# Altium PCB SPG_300.PcbDoc (part 2 of 7)
Units mil, origin at the board's own origin, x right, y up, seen from the top; angles counter-clockwise.
Board outline 7834.65 x 4330.71 mil, 4 copper layers (Top, Route2-SIG, Route3-GND, Bottom), stack 67.156 mil thick; 659 components, 376 nets, 2304 pads, 665 vias.
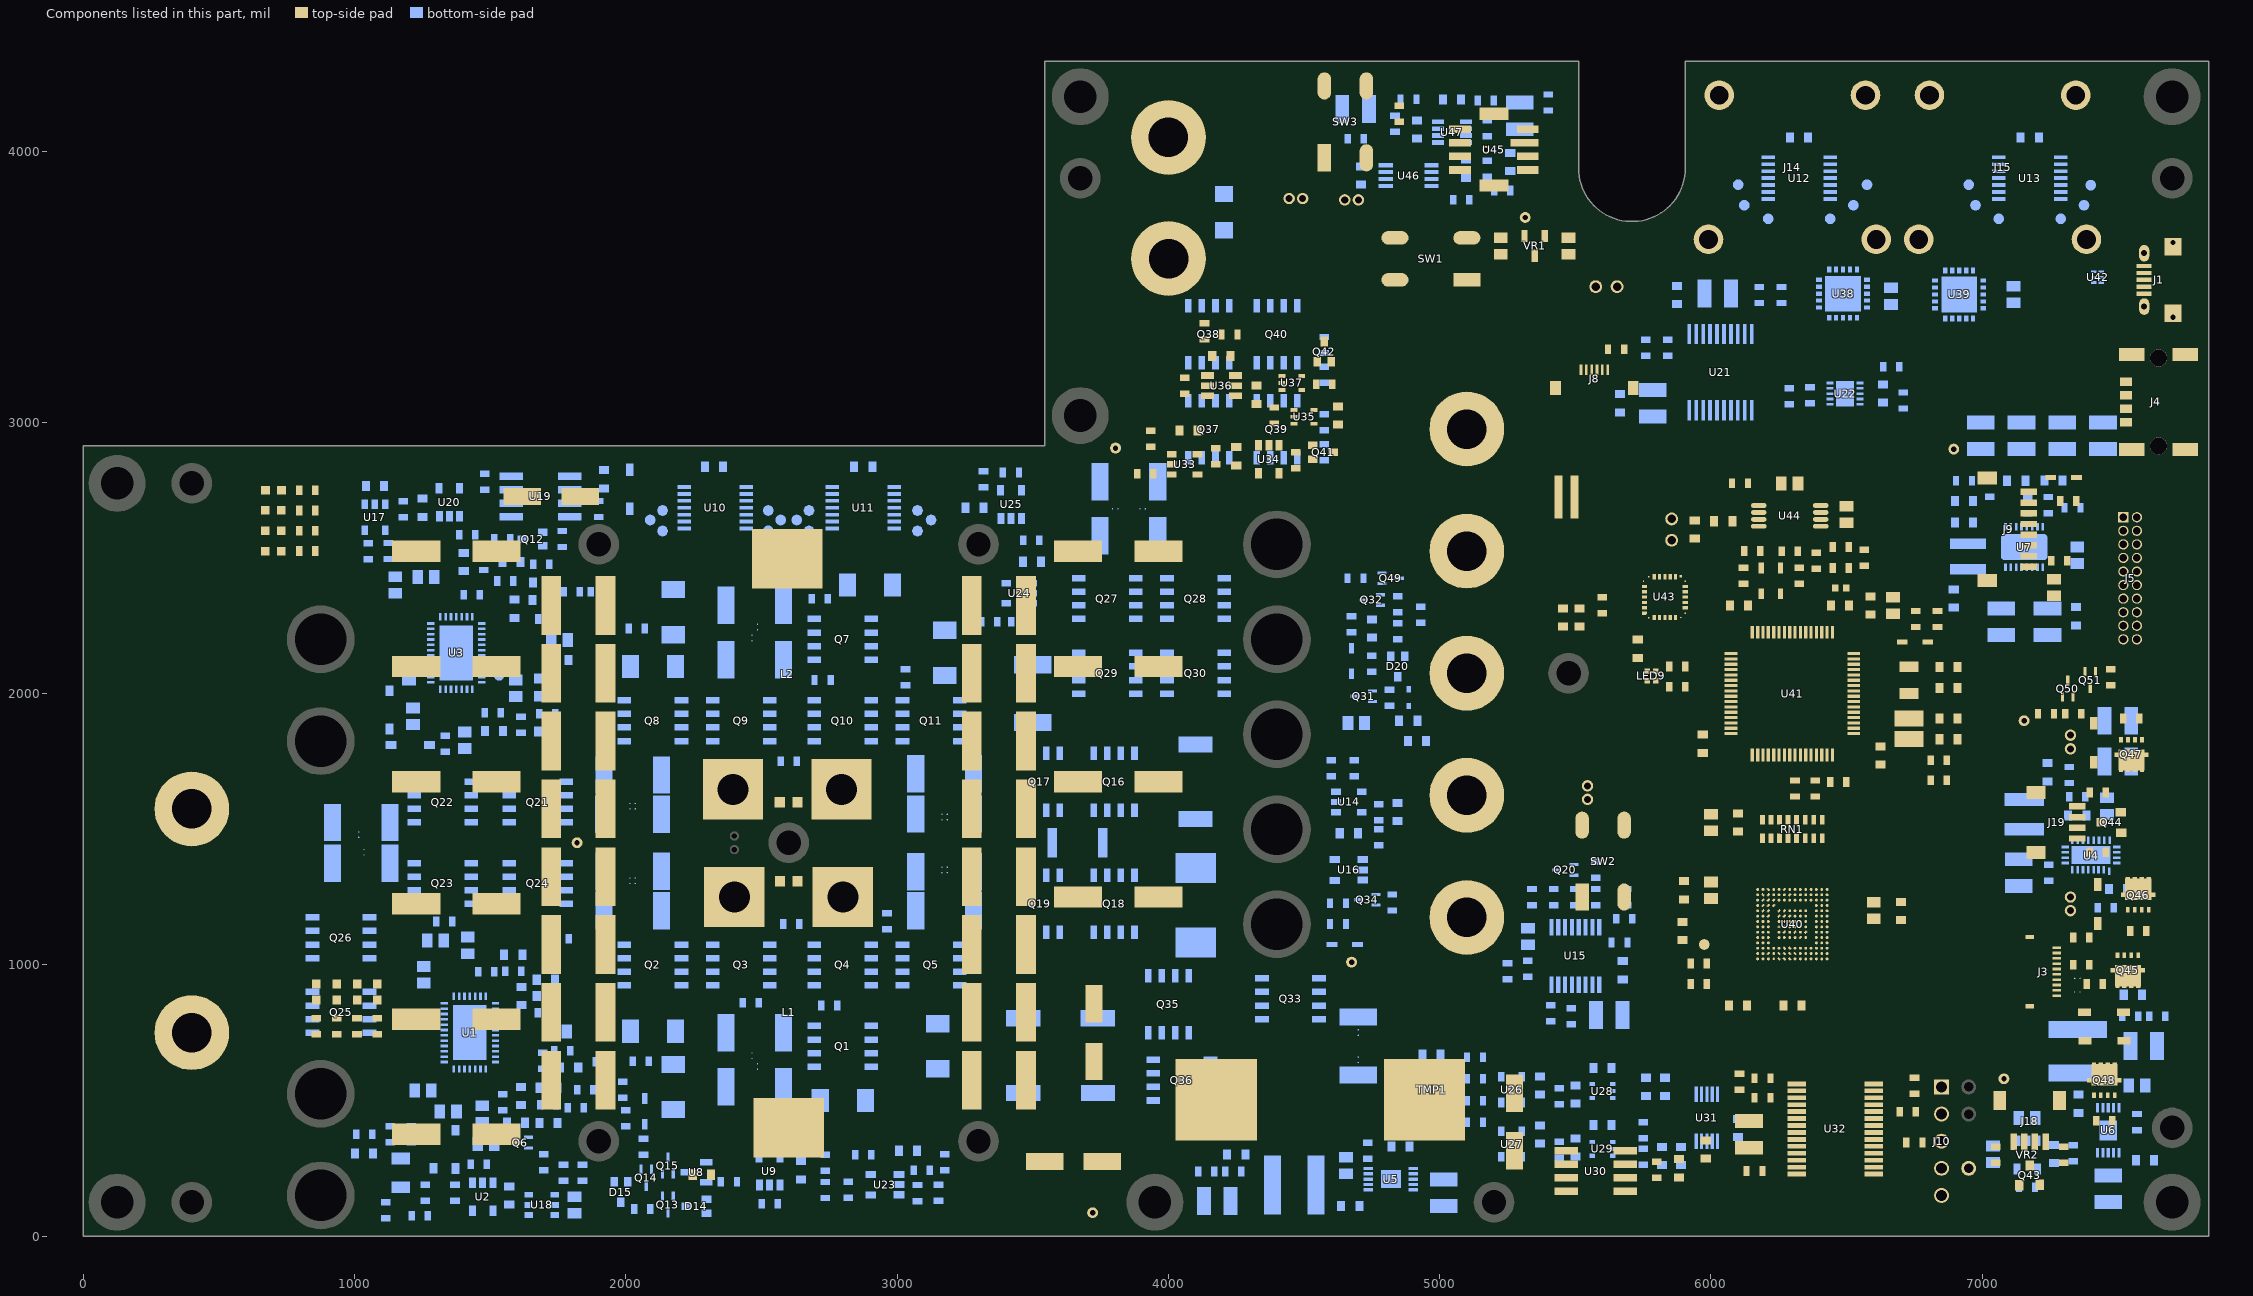
[diagram p4: the components of this part, seen from the top]

## Components (designator, comment, footprint, x,y, rotation, side; value= is the part's Value field where it differs from the comment) (continued)
R123 "RES SMD 0603" "SMD 0603 (1608 Metric)" 4689.53,2425 r180 bottom value=10K*
R124 "RES SMD 0603" "SMD 0603 (1608 Metric)" 4930,2290 r270 bottom value=499K
R125 "RES SMD 0603" "SMD 0603 (1608 Metric)" 4815,1985 r90 bottom value=100K
R126 "RES SMD 0603" "SMD 0603 (1608 Metric)" 4845,2330 r90 bottom value=100K
R127 "RES SMD 0603" "SMD 0603 (1608 Metric)" 5650,3270 r0 top value=470
R128 "RES SMD 0603" "SMD 0603 (1608 Metric)" 4625,1150.77 r0 bottom value=1K
R129 "RES SMD 0603" "SMD 0603 (1608 Metric)" 4625,1226.66 r180 bottom value=10K
R130 "RES SMD 0603" "SMD 0603 (1608 Metric)" 7283.46,2490.16 r180 top value=332K
R131 "RES SMD 0603" "SMD 0603 (1608 Metric)" 7317.6,2710 r0 top value=10K
R132 "RES SMD 0603" "SMD 0603 (1608 Metric)" 4825,1230 r90 bottom value=100K
R133 "RES SMD 0603" "SMD 0603 (1608 Metric)" 6178.46,3469.32 r90 bottom value=2.2K
R134 "RES SMD 0603" "SMD 0603 (1608 Metric)" 6260,3469.32 r90 bottom value=2.2K
R135 "RES SMD 0603" "SMD 0603 (1608 Metric)" 5840,3275 r90 bottom value=16.9K
R136 "RES SMD 0603" "SMD 0603 (1608 Metric)" 6365,3099.47 r270 bottom value=2.2K
R137 "RES SMD 0603" "SMD 0603 (1608 Metric)" 6288.96,3095.47 r270 bottom value=2.2K
R138 "RES SMD 0603" "SMD 0603 (1608 Metric)" 5760,3275 r270 bottom value=10K
R139 "RES SMD 0603" "SMD 0603 (1608 Metric)" 6709.17,3080.47 r90 bottom value=976K
R140 "RES SMD 0603" "SMD 0603 (1608 Metric)" 6664.17,3205.47 r0 bottom value=102K
R141 "RES SMD 0603" "SMD 0603 (1608 Metric)" 2820,170.47 r90 bottom value="1K, 0.1%"
R142 "RES SMD 0603" "SMD 0603 (1608 Metric)" 3152.46,160 r270 bottom value="10K, 0.1%"
R143 "RES SMD 0603" "SMD 0603 (1608 Metric)" 3090,243.46 r180 bottom value="324, 0.1%"
R144 "RES SMD 0603" "SMD 0603 (1608 Metric)" 2735,170 r90 bottom value="10K, 0.1%"
R145 "RES SMD 0603" "SMD 0603 (1608 Metric)" 3075,158.86 r90 bottom value="1K, 0.1%"
R146 "RES SMD 0603" "SMD 0603 (1608 Metric)" 3175,272.99 r270 bottom value="976K, 0.1%"
R147 "RES SMD 0603" "SMD 0603 (1608 Metric)" 2735,270 r270 bottom value="10K, 0.1%"
R148 "RES SMD 0603" "SMD 0603 (1608 Metric)" 2875,300.47 r180 bottom value="806, 0.1%"
R149 "RES SMD 2512" "SMD 2512 (6332 Metric)" 3499.96,2000 r90 bottom value=0.005
R150 "RES SMD 0603" "SMD 0603 (1608 Metric)" 3450,2265 r180 bottom value="5K, 0.1%"
R151 "RES SMD 0603" "SMD 0603 (1608 Metric)" 3318.46,2790 r270 bottom value="30K, 0.1%"
R152 "RES SMD 0603" "SMD 0603 (1608 Metric)" 3340,2265 r0 bottom value="5K, 0.1%"
R153 "RES SMD 0603" "SMD 0603 (1608 Metric)" 3495,2565 r180 bottom value="250K, 0.1%"
R154 "RES SMD 0603" "SMD 0603 (1608 Metric)" 3419.55,2815 r180 bottom value="28K, 0.1%"
R155 "RES SMD 0603" "SMD 0603 (1608 Metric)" 5440,319.09 r270 bottom value="453K, 0.1%"
R156 "RES SMD 0603" "SMD 0603 (1608 Metric)" 5440,515 r270 bottom value="453K, 0.1%"
R157 "RES SMD 0603" "SMD 0603 (1608 Metric)" 5130,419.49 r0 bottom value="5K, 0.1%"
R158 "RES SMD 0603" "SMD 0603 (1608 Metric)" 5130,499.21 r0 bottom value="5K, 0.1%"
R159 "RES SMD 0603" "SMD 0603 (1608 Metric)" 5130,580 r0 bottom value="5K, 0.1%"
R160 "RES SMD 0603" "SMD 0603 (1608 Metric)" 5130,660 r0 bottom value="5K, 0.1%"
R161 "RES SMD 0603" "SMD 0603 (1608 Metric)" 5800,245 r90 top value=2M
R162 "RES SMD 2512" "SMD 2512 (6332 Metric)" 4700,700.79 r90 bottom value=0.005
R163 "RES SMD 0603" "SMD 0603 (1608 Metric)" 6105,568.63 r90 top value=4.99K
R164 "RES SMD 0603" "SMD 0603 (1608 Metric)" 5750,390 r90 bottom value="5K, 0.1%"
R165 "RES SMD 0603" "SMD 0603 (1608 Metric)" 5750,292.76 r90 bottom value="1K, 0.1%"
R166 "RES SMD 0603" "SMD 0603 (1608 Metric)" 6190,510.16 r180 top value=4.99K
R167 "RES SMD 0603" "SMD 0603 (1608 Metric)" 6190,582.06 r180 top value=4.99K
R168 "RES SMD 0603" "SMD 0603 (1608 Metric)" 6160.47,240 r180 top value=4.99K
R169 "RES SMD 0603" "SMD 0603 (1608 Metric)" 6750,554.06 r90 top value=1K
R170 "RES SMD 0603" "SMD 0603 (1608 Metric)" 6750,345 r180 top value=10K
R171 "RES SMD 0603" "SMD 0603 (1608 Metric)" 6725,458.98 r180 top value=10K
R172 "RES SMD 2512" "SMD 2512 (6332 Metric)" 3854.48,2581.15 r0 bottom value=.010
R173 "RES SMD 2512" "SMD 2512 (6332 Metric)" 3854.48,2781.1 r0 bottom value=.010
R174 "RES SMD 0603" "SMD 0603 (1608 Metric)" 3934.96,2940 r90 top value="5K, 0.1%"
R175 "RES SMD 0603" "SMD 0603 (1608 Metric)" 3914.96,2811.02 r180 top value="5K, 0.1%"
R176 "RES SMD 0603" "SMD 0603 (1608 Metric)" 4575,3000 r90 bottom value=1K
R177 "RES SMD 0603" "SMD 0603 (1608 Metric)" 4575,3175 r270 bottom value=1K
R178 "RES SMD 0603" "SMD 0603 (1608 Metric)" 4575,2888.96 r90 bottom value=1.5K
R179 "RES SMD 0603" "SMD 0603 (1608 Metric)" 4575,3285 r270 bottom value=1.5K
R180 "RES SMD 0603" "SMD 0603 (1608 Metric)" 4175,2875 r90 top value=250K
R181 "RES SMD 0603" "SMD 0603 (1608 Metric)" 4851.02,4136.81 r270 top value=332K
R182 "RES SMD 0603" "SMD 0603 (1608 Metric)" 4470,2860 r90 top value=10K
R183 "RES SMD 0603" "SMD 0603 (1608 Metric)" 4390,3025 r90 top value=10K
R184 "RES SMD 0603" "SMD 0603 (1608 Metric)" 4059.53,3135.16 r270 top value=499K
R185 "RES SMD 0603" "SMD 0603 (1608 Metric)" 4225,3323.62 r180 top value=1M
R186 "RES SMD 0603" "SMD 0603 (1608 Metric)" 7473.31,2060 r270 top value=10K
R187 "RES SMD 0603" "SMD 0603 (1608 Metric)" 4132.83,3335 r90 top value=523K
R188 "RES SMD 0603" "SMD 0603 (1608 Metric)" 4575,3140 r180 top value=10K
R189 "RES SMD 0603" "SMD 0603 (1608 Metric)" 5875,2100 r0 top value=249
R190 "RES SMD 0603" "SMD 0603 (1608 Metric)" 5875,2025 r0 top value=249
R191 "RES SMD 0603" "SMD 0603 (1608 Metric)" 6106.93,2775 r0 top value=1K
R192 "RES SMD 0603" "SMD 0603 (1608 Metric)" 6468.5,1673.9 r180 top value=10K
R193 "RES SMD 0603" "SMD 0603 (1608 Metric)" 6755,2275 r90 top value=20K*
R194 "RES SMD 0603" "SMD 0603 (1608 Metric)" 5599.53,2325 r270 top value=10K
R195 "RES SMD 0603" "SMD 0603 (1608 Metric)" 6835,2275 r270 top value=100
R196 "RES SMD 0603" "SMD 0603 (1608 Metric)" 6152.36,2525.79 r180 top value=2.2K
R197 "RES SMD 0603" "SMD 0603 (1608 Metric)" 6290.16,2525 r0 top value=2.2K
R198 "RES SMD 0603" "SMD 0603 (1608 Metric)" 6309.84,1650 r270 top value=100
R199 "RES SMD 0603" "SMD 0603 (1608 Metric)" 6325,2435 r270 top value=100
R200 "RES SMD 0603" "SMD 0603 (1608 Metric)" 6385,1650 r270 top value=100
R201 "RES SMD 0603" "SMD 0603 (1608 Metric)" 6120,2435 r270 top value=100
R202 "RES SMD 0603" "SMD 0603 (1608 Metric)" 6478.34,2462.83 r0 top value=1K
R203 "RES SMD 0603" "SMD 0603 (1608 Metric)" 6388.58,2490 r90 top value=10K
R204 "RES SMD 0603" "SMD 0603 (1608 Metric)" 6565,2500 r270 top value=10K
R205 "RES SMD 0603" "SMD 0603 (1608 Metric)" 6478.34,2540.51 r180 top value=15K
R206 "RES SMD 0603" "SMD 0603 (1608 Metric)" 5955,929.53 r0 top value=49.9K
R207 "RES SMD 0603" "SMD 0603 (1608 Metric)" 5955,1005 r0 top value=49.9K
R208 "RES SMD 0603" "SMD 0603 (1608 Metric)" 7300,299.53 r90 top value=4.99K
R209 "RES SMD 0603" "SMD 0603 (1608 Metric)" 7425,1635.24 r180 top value=4.99K
R210 "RES SMD 0603" "SMD 0603 (1608 Metric)" 5230,3854.53 r0 bottom value="121K, 0.1%"
R211 "RES SMD 0603" "SMD 0603 (1608 Metric)" 7050,299.53 r270 top value=10K
R212 "RES SMD 0603" "SMD 0603 (1608 Metric)" 5400,4178.74 r90 bottom value=499
R213 "RES SMD 0603" "SMD 0603 (1608 Metric)" 7425,1414.76 r0 top value=10K
R214 "RES SMD 0603" "SMD 0603 (1608 Metric)" 5175,3934.53 r270 bottom value="7.5K, 0.1%"
R215 "RES SMD 0603" "SMD 0603 (1608 Metric)" 5170.08,4186.31 r0 bottom value=4.99K
R216 "RES SMD 0603" "SMD 0603 (1608 Metric)" 4885,4190.51 r180 bottom value=499
R217 "RES SMD 0603" "SMD 0603 (1608 Metric)" 5079.98,3820 r180 bottom value=40.2K
R218 "RES SMD 0603" "SMD 0603 (1608 Metric)" 4690,4045 r0 bottom value=4.99K
R219 "RES SMD 0603" "SMD 0603 (1608 Metric)" 5175,4084.53 r90 bottom value="383, 0.1%"
R220 "RES SMD 0603" "SMD 0603 (1608 Metric)" 4835,4100 r90 bottom value=1M
R221 "RES SMD 0603" "SMD 0603 (1608 Metric)" 7415,929.53 r0 top value=10K
R222 "RES SMD 0603" "SMD 0603 (1608 Metric)" 7575,1125 r0 top value=10K
R225 "RES SMD 0603" "SMD 0603 (1608 Metric)" 7549.41,1908.15 r180 top value=10K
R226 "RES SMD 0603" "SMD 0603 (1608 Metric)" 7450.35,425 r0 top value=10K
R227 "RES SMD 0603" "SMD 0603 (1608 Metric)" 7235,1925.54 r180 top value=499K
R228 "RES SMD 0603" "SMD 0603 (1608 Metric)" 7334.69,1925.54 r180 top value=100K
RN1 "Resistor Network" "RESN 742 h=.35" 6300,1500.79 r90 top value=33K
SW1 "SW-PB6MM-SMD" SW-PB-SMD 5100,3525 r180 top
SW2 "SW-PB6MM-SMD" SW-PB-SMD 5525,1250 r90 top
SW3 "SW-PB6MM-SMD" SW-PB-SMD 4575,3975 r90 top
TH1 "THERM" "RESC 0603 (1608 Metric)_N" 2600,1308.15 r180 top value=10K
TH2 "THERM" "RESC 0603 (1608 Metric)_N" 2599.96,1600 r0 top value=10K
TMP1 "TMP100" SOT23-6N 4970,540 r0 bottom
TP_1 "Test Point" "Test Point 1mm"#1 5315,3755 r90 top
TP_2 "Test Point" "Test Point 1mm"#1 7154.11,1900 r90 bottom
TP_3 "Test Point" "Test Point 1mm"#1 3720.49,86.48 r90 top
TP_4 "Test Point" "Test Point 1mm"#1 7080,580 r90 top
TP_5 "Test Point" "Test Point 1mm"#2 6950,250.12 r90 top
TP_6 "Test Point" "Test Point 1mm"#1 6895.04,2901.23 r90 bottom
TP_BBIN1 "Test Point" "Test Point 1mm"#1 1820,1450.1 r90 top
TP_VBAT1 "Test Point" "Test Point 1mm"#1 3805,2905.09 r90 top (schematic designator TP_VBAT2)
TP_VBAT2 "Test Point" "Test Point 1mm"#1 4675,1010 r90 top (schematic designator TP_VBAT1)
TZ1 "Transient voltage suppressor- prevents ESD on inputs." SMC 4099.96,1220 r270 bottom value=SMLJ33ABCT
U1 "LT8705" QFN38 1424.96,750 r90 bottom
U2 "LMC7101" SOT23-5 1472.22,145.24 r270 bottom
U3 "LT8705" QFN38 1374.96,2150 r90 bottom
U4 "LT8620" "QFN24-EP-LTC UDD" 7401,1405 r90 bottom
U5 "LT8607" MSOP10-EP 4820,210 r0 bottom
U6 "LT8607" MSOP10-EP 7464.37,390 r270 bottom
U7 "LTC3115-1" DFN16-EP 7154.6,2540 r270 bottom
U8 "TC1047A" SOT23-3L 2260,235.59 r180 bottom
U9 "LMC7101" SOT23-5 2530,240 r90 bottom
U10 "MCP4651-104" TSSOP-14 2330,2685 r180 bottom
U11 "MCP4651-104" TSSOP-14 2875,2685 r180 bottom
U12 "MCP4651-104" TSSOP-14 6325,3900 r180 bottom
U13 "MCP4651-104" TSSOP-14 7175,3900 r180 bottom
U14 "ZXCT1082" "SOT23-5L 3.0x1.5x145" 4665,1600.51 r0 bottom value=ZXCT1802
U15 "ADM1270 Input Protection Device" QSOP16 5500,1032.76 r270 bottom value=AMD1270
U16 "LMC7101" SOT23-5 4665,1350.47 r180 bottom
U17 "ZXCT1082" "SOT23-5L 3.0x1.5x145" 1075,2650 r270 bottom value=ZXCT1802
U18 "ZXGD3006E6" SOT26 1690,115 r180 bottom
U19 "MIC5021" SOIC-8 1685.21,2726.92 r180 bottom
U20 "LMC7101" SOT23-5 1350,2705 r90 bottom
U21 "ADM3260" SSOP-20 6035,3185 r90 bottom
U22 "LTC4316" "DFN10-EP - LTC" 6494.02,3105.47 r180 bottom
U23 "LMC7101" SOT23-5 2955,190 r180 bottom
U24 "ZXCT1082" "SOT23-5L 3.0x1.5x145" 3449.96,2370 r180 bottom value=ZXCT1802
U25 "LMC7101" SOT23-5 3420.47,2697.24 r90 bottom
U26 "ZXCT1082" "SOT23-5L 3.0x1.5x145" 5265,540 r90 bottom value=ZXCT1802
U27 "ZXCT1082" "SOT23-5L 3.0x1.5x145" 5265,339.53 r90 bottom value=ZXCT1802
U28 "AD8500" SC70-5 5600,535 r180 bottom value=LMC7101
U29 "AD8500" SC70-5 5600,321.54 r180 bottom value=LMC7101
U30 "MIC5021" SOIC-8 5575,240 r0 top
U31 "ADS1115" TFSSOP-10 5985,437.13 r90 bottom
U32 "PIC24FJ64" SSOIC28 6457.7,395 r180 top
U33 "ZXCT1082" "SOT23-5L 3.0x1.5x145" 4060,2845 r0 top
U34 "LMC7101" SOT23-5 4370,2863.94 r270 top
U35 "74AUP1G08" SOT353-1-5L 4500,3020 r0 top
U36 "LTC6993-2" TSOT6-H1.0 4195,3135 r0 top value=LTC6993HS6-2
U37 "74AUP1G08" SOT353-1-5L 4455,3145 r0 top
U38 "MCP9600/L00" MQFN20-EP 6486.77,3474.21 r270 bottom
U39 "MCP9600/L00" MQFN20-EP 6915,3471.18 r270 bottom
U40 "MTFC8GAKAJNC-4M IT TR" BGA-153-SPECIAL 6300,1150 r0 top
U41 "STM32L476RG" LQFP64P 6300,2000 r180 top
U42 "TPD4S012" DFN1410-6 7425,3535 r180 bottom
U43 "STM8L151G3U6" "UFQFPN28 - ST Micro" 5830,2355.51 r0 top value=STM8L151G
U44 "AT24HC020" TSSOP-8 6290.16,2655 r180 top value=AT24HC020D-MAHM-T
U45 "ICSP 1451-P" "ICSP1451 Top Barb" 5200,4005 r180 top value="ICSP 1471-15G-T"
U46 "MAX11613" "uMAX 8" 4885,3909.53 r180 bottom value=MAX11613EUA+T
U47 "OPA2379" SOT23-8-H1.45 5045,4069.53 r180 bottom
VB1+ "CONN 1x1Pos" Amphenol-10-737584-153-A 5100,2075 r0 top value=10-737584-153
VB2+ "CONN 1x1Pos" Amphenol-10-737584-153-A 5100,2525 r0 top value=10-737584-153
VB- "CONN 1x1Pos" Amphenol-10-737584-153-A 5100,2975 r0 top value=10-737584-153
VOUT+ "CONN 1x1Pos" Amphenol-10-737584-153-A 5100,1625 r0 top value=10-737584-153
VOUT- "CONN 1x1Pos" Amphenol-10-737584-153-A 5100,1175 r0 top value=10-737584-153
VR1 "Series Voltage Ref" SOT23-3L 5350,3650 r270 top value=REF3033
VR2 "MIC5025" SOT23-5 7165,299.53 r270 bottom value=MIC5205
XTAL1 "XTAL1" NX3225 6729.53,1870.75 r270 top value=NX3225GD-8MHZ-STD-CR
XTAL2 "XTAL1" CTS-TF32L 6729.53,2049.21 r270 top value=ABS07-32.768KHZ-T

## Footprints (in the part's own frame and the unit in brackets; to place one, negate y for a bottom-side part, rotate by r counter-clockwise, add the part's x,y. Pads: shape width x height; smd on the part's side, far side on the other; paste and mask are expansions set on the pad)
Amphenol-10-737584-153-A [mm] "High-current, male stud pin, 10mm clearance"
  round 7 hole 3.7 mask+0.05: 1(0,0)
  silkscreen extent -5.08,-5.08 5.08,5.08, body extent -5,-5 5,5, height 17
BGA-153-SPECIAL [mil]
  rrect50% 12x8 smd rot 135 mask+1.97: *CLK(-29.53,-88.58) *CLK(-9.84,-108.27) *CMD(-29.53,-108.27) *CMD(-9.84,-127.95) *D3(-108.27,108.27) A3(-88.58,127.95) M7(-9.84,-88.58) N5(-49.21,-108.27) N8(9.84,-108.27) P5(-49.21,-127.95) P6(-29.53,-127.95)
  round 10.5 smd mask+1.97: *CLK(9.84,-127.95) *CMD(-49.21,-88.58) *D3(-127.95,108.27) *D4(-108.27,127.95) *D5(-127.95,68.9) *D5(-68.9,108.27) *D6(-127.95,29.53) *D6(-108.27,29.53) *D6(-49.21,88.58) *D6(-49.21,108.27) *D7(-29.53,108.27) *D7(-9.84,127.95) *DS(-127.95,-9.84) *DS(-108.27,-9.84) *DS(-88.58,-9.84) *RST(-127.95,-49.21) *RST(-108.27,-49.21) *RST(-88.58,-49.21) *RST(-49.21,-49.21) *VCC(-127.95,9.84) *VCC(-108.27,9.84) *VCC(-88.58,9.84) *VDDM(-127.95,88.58) *VSS(-49.21,-29.53) *VSS(-49.21,9.84) *VSS(-29.53,-9.84) *VSS(88.58,68.9) *VSS(108.27,68.9) *VSS(127.95,68.9) *VSS2(9.84,-49.21) *VSS2(29.53,-29.53) *VSSQ(-127.95,49.21) *VSSQ2(-108.27,-127.95) *VSSQ2(-108.27,-108.27) A1(-127.95,127.95) A4(-68.9,127.95) A5(-49.21,127.95) A8(9.84,127.95) A9(29.53,127.95) A10(49.21,127.95) A11(68.9,127.95) A12(88.58,127.95) A13(108.27,127.95) A14(127.95,127.95) B8(9.84,108.27) B9(29.53,108.27) B10(49.21,108.27) B11(68.9,108.27) B12(88.58,108.27) B13(108.27,108.27) B14(127.95,108.27) C6(-29.53,88.58) C7(-9.84,88.58) C8(9.84,88.58) C9(29.53,88.58) C10(49.21,88.58) C11(68.9,88.58) C12(88.58,88.58) C13(108.27,88.58) C14(127.95,88.58) E7(-9.84,49.21) E8(9.84,49.21) E9(29.53,49.21) E10(49.21,49.21) E12(88.58,49.21) E13(108.27,49.21) E14(127.95,49.21) F8(9.84,29.53) F9(29.53,29.53) F10(49.21,29.53) F12(88.58,29.53) F13(108.27,29.53) F14(127.95,29.53) G7(-9.84,9.84) G8(9.84,9.84) G9(29.53,9.84) G10(49.21,9.84) G12(88.58,9.84) G13(108.27,9.84) G14(127.95,9.84) H7(-9.84,-9.84) H8(9.84,-9.84) H10(49.21,-9.84) H12(88.58,-9.84) H13(108.27,-9.84) H14(127.95,-9.84) J1(-127.95,-29.53) J2(-108.27,-29.53) J3(-88.58,-29.53) J7(-9.84,-29.53) J12(88.58,-29.53) J13(108.27,-29.53) J14(127.95,-29.53) K6(-29.53,-49.21) K7(-9.84,-49.21) K10(49.21,-49.21) K12(88.58,-49.21) K13(108.27,-49.21) K14(127.95,-49.21) L1(-127.95,-68.9) L2(-108.27,-68.9) L3(-88.58,-68.9) L12(88.58,-68.9) L13(108.27,-68.9) L14(127.95,-68.9) M1(-127.95,-88.58) M2(-108.27,-88.58) M3(-88.58,-88.58) M4(-68.9,-88.58) M8(9.84,-88.58) M9(29.53,-88.58) M10(49.21,-88.58) M11(68.9,-88.58) M12(88.58,-88.58) M13(108.27,-88.58) M14(127.95,-88.58) N1(-127.95,-108.27) N4(-68.9,-108.27) N9(29.53,-108.27) N10(49.21,-108.27) N11(68.9,-108.27) N12(88.58,-108.27) N13(108.27,-108.27) N14(127.95,-108.27) P1(-127.95,-127.95) P3(-88.58,-127.95) P9(29.53,-127.95) P10(49.21,-127.95) P11(68.9,-127.95) P12(88.58,-127.95) P13(108.27,-127.95) P14(127.95,-127.95)
  rrect50% 12x8 smd rot 45 mask+1.97: *D4(-88.58,108.27) *D5(-108.27,68.9) *D5(-88.58,88.58) *D6(-88.58,49.21) *D6(-68.9,68.9) *VCC(-49.21,29.53) *VDDM(-108.27,88.58) *VSS(-29.53,29.53) *VSSQ(-108.27,49.21) *VSSQ(-88.58,68.9) *VSSQ(-68.9,88.58) A6(-29.53,127.95) B7(-9.84,108.27) E5(-49.21,49.21) E6(-29.53,49.21) F3(-88.58,29.53) F7(-9.84,29.53) H9(29.53,-9.84) J6(-29.53,-29.53) J8(9.84,-29.53) J10(49.21,-29.53) K9(29.53,-49.21) N3(-88.58,-108.27)
  rrect50% 8.5x8.5 smd rot 45 mask+1.97: *DS(-49.21,-9.84) G6(-29.53,9.84) P4(-68.9,-127.95)
  silkscreen extent -226,-256 226,256, body extent -217,-100 100,246, height 39
"CAPAE CASE 8.3mm x 10.5mm" [mm] "Capacitor, Aluminum Elecrolytic , Polarized, Case 8.3mm x 10.5mm"
  rect 2x4.5 smd: 1(0,3.75) 2(0,-3.75)
  silkscreen extent -5.25,-5 5.25,5, body extent -5.25,-4.15 5.25,4.15, height 10.5
"CAPAE CASE D8" [mm] "Capacitor, Aluminum Elecrolytic , Polarized, Case D8 6.3 x 7.7"
  rect 1.6x3.5 smd: 1(0,2.7) 2(0,-2.7)
  silkscreen extent -3.3,-3.3 3.3,3.3, body extent -3.3,-3.56 3.3,3.44, height 7.7
"CAPC 0603 (1608 Metric) H0.8L" [mm] "Chip Capacitor, Body 1.6x0.8mm, Height 0.8mm, IPC High Density"
  rect 0.75x0.95 smd: 1(-0.85,0) 2(0.85,0)
  silkscreen extent -1.5,-0.75 1.5,0.75, body extent -0.8,-0.4 0.8,0.4, height 0.8
"CAPC 0805 (2012 Metric)_H0.85" [mm] "Chip Capacitor, 2-Leads, Body 2.00x1.25mm, IPC High Density"
  rect 1x1.3 smd: 1(-0.775,0) 2(0.775,0)
  silkscreen extent -1.7,-1 1.7,1, body extent -1.05,-0.63 1.05,0.63, height 0.9
"CAPC 0805 (2012 Metric)_H1.25" [mm] "Chip Capacitor, 2-Leads, Body 2.00x1.25mm, IPC High Density"
  rect 1x1.3 smd: 1(-0.775,0) 2(0.775,0)
  silkscreen extent -1.7,-1 1.7,0.96, body extent -1.05,-0.63 1.05,0.63, height 1.26
"CAPC 1206 (3216 Metric)_H1.35" [mm] "Chip Capacitor, Body 3.2x1.6mm, Height 1.35mm, IPC High Density"
  rect 1.1x1.75 smd: 1(-1.35,0) 2(1.35,0)
  silkscreen extent -2.3,-1.15 2.3,1.15, body extent -1.66,-0.8 1.54,0.8, height 1
"CAPC 1210 (3225 Metric)_H0.9" [mm] "Chip Capacitor, 2-Leads, Body 3.15 x 2.50mm Height 0.9mm , IPC High Density"
  rect 1.3x2.6 smd: 1(-1.25,0) 2(1.25,0)
  silkscreen extent -2.4,-1.65 2.4,1.65, body extent -1.7,-1.35 1.7,1.35, height 0.9
"CAPC 1210 (3225 Metric)_H1.9" [mm] "Chip Capacitor, 2-Leads, Body 3.15x2.50mm, IPC High Density"
  rect 1.3x2.6 smd: 1(-1.25,0) 2(1.25,0)
  silkscreen extent -2.4,-1.65 2.4,1.65, body extent -1.7,-1.35 1.7,1.35, height 2
"CAPC 2220" [mil]
  rect 72.83x216.54 smd: 1(-100.39,0) 2(100.39,0)
  body extent -118,-89 118,89, height 100
"CONN 4POS RT SMT ERNI-214012" [mm] "4-Pin ERNI MiniBridge Programming Connector"
  rect 0.8x1.14 smd: 1(1.905,3.05) 2(0.635,3.05) 3(-0.635,3.05) 4(-1.905,3.05)
  round 1.6 hole 1.6 unplated paste+0 mask+0.102: 13(-4.115,0) 13(4.115,0)
  rect 1.2x2.4 smd: MT1(4.445,2.5) MT2(-4.445,2.5) MT3(-4.445,-2.5) MT4(4.445,-2.5)
  silkscreen extent -5.33,-3.94 5.33,3.94, body extent -5.08,-3.6 5.08,3.6, height 2.99
"CONN FPC 6Pos 0.5mm Bottom SMD" [mm] "Omron XF2L-0635-1 Bottom Contact 0.5mm Pitch 6 Position .3Thk"
  rect 0.25x1 smd: 1(-1.25,0.86) 2(-0.75,0.86) 3(-0.25,0.86) 4(0.25,0.86) 5(0.75,0.86) 6(1.25,0.86)
  rect 1x1.34 smd: 7(3.64,-0.86) 8(-3.64,-0.86)
  silkscreen extent -3.95,-2.27 3.95,0.77, body extent -3.95,-2.27 3.95,1.18, height 1.15
"CONN FPC 10 Pos 0.5mm T+B RA SMD" [mm] "Omron XF2W-1015 10Pos Top+Bottom Contact  0.5mm Pitch"
  rect 0.25x0.8 smd mask+0.065: 1(-2.25,1.25) 2(-1.75,1.25) 3(-1.25,1.25) 4(-0.75,1.25) 5(-0.25,1.25) 6(0.25,1.25) 7(0.75,1.25) 8(1.25,1.25) 9(1.75,1.25) 10(2.25,1.25)
  rect 0.4x0.8 smd mask+0.065: 11(-3.25,-1.25) 12(3.25,-1.25)
  Top keep-out region: -2.375,0.575 -2.375,-0.1 2.375,-0.1 2.375,0.575
  silkscreen extent -3.5,-1.9 3.5,1.73, body extent -3.5,-1.85 3.5,1.65, height 1.09
"Conn Hdr 2Pos 1.27mm Right Angle Thru Hole" [mil] "Right Angle Header, Male Pins 1.27mm pitch, Thru Hole"
  round 42 hole 26 mask+2.2: 1(-25,0) 2(25,0)
  silkscreen extent -51,33 51,71, body extent -49,-8 49,187, height 84
"CONN HDR 2Pos 2mm TH" [mm] "Header 2 Position 2.0mm Pitch Through Hole"
  round 1.2 hole 0.8: 1(-2,0) 2(0,0)
  silkscreen extent -3,-1 1,1, body extent -3,-1 1,1, height 5.9
"CONN Hdr 5Pos 2.54mm" [mm] "Header 5 Position 2.54mm Pitch"
  rect 1.4x1.4 hole 1: 1(3.81,0)
  round 1.4 hole 1: 2(1.27,0) 3(-1.27,0) 4(-3.81,0) 5(-6.35,0)
  silkscreen extent -7.62,-1.27 5.08,1.27
"CONN HDR 20 Pos Recpt 1.27mm RT TH" [mm] "Cnc Tech 3221-20-0200-00"
  rect 0.954x0.954 hole 0.7 mask+0.05: 1(5.715,0.635)
  round 0.954 hole 0.7 mask+0.05: 2(5.715,-0.635) 3(4.445,0.635) 4(4.445,-0.635) 5(3.175,0.635) 6(3.175,-0.635) 7(1.905,0.635) 8(1.905,-0.635) 9(0.635,0.635) 10(0.635,-0.635) 11(-0.635,0.635) 12(-0.635,-0.635) 13(-1.905,0.635) 14(-1.905,-0.635) 15(-3.175,0.635) 16(-3.175,-0.635) 17(-4.445,0.635) 18(-4.445,-0.635) 19(-5.715,0.635) 20(-5.715,-0.635)
  silkscreen extent -9.5,-6.35 9.5,1.27, body extent -9.5,-6.67 9.5,0.9, height 5.12
"CONN Omega SMP-K" [mm] "K Thermocouple Circuit Board Conn 2 Position"
  round 2.77 hole 1.77 paste-0.2: 1(-7.85,-6.75) 2(7.85,-6.75) 3(6.85,6.75) 4(-6.85,6.75)
  silkscreen extent -9.5,-8.5 9.5,8.5, body extent -7.93,-11.3 7.78,9.5, height 7.4
"CONN Rect 4Pos 1.0mm Side Entry SMT" [mm] "JST SM04B-SRSS 1.0mm Side Entry"